# Altium PCB tagIT_pcb.PcbDoc (part 2 of 2)
Units mil, origin at the board's own origin, x right, y up, seen from the top; angles counter-clockwise.
Board outline 2360 x 1710 mil, 2 copper layers (Top Layer, Bottom Layer); 112 components, 75 nets, 348 pads, 298 vias.
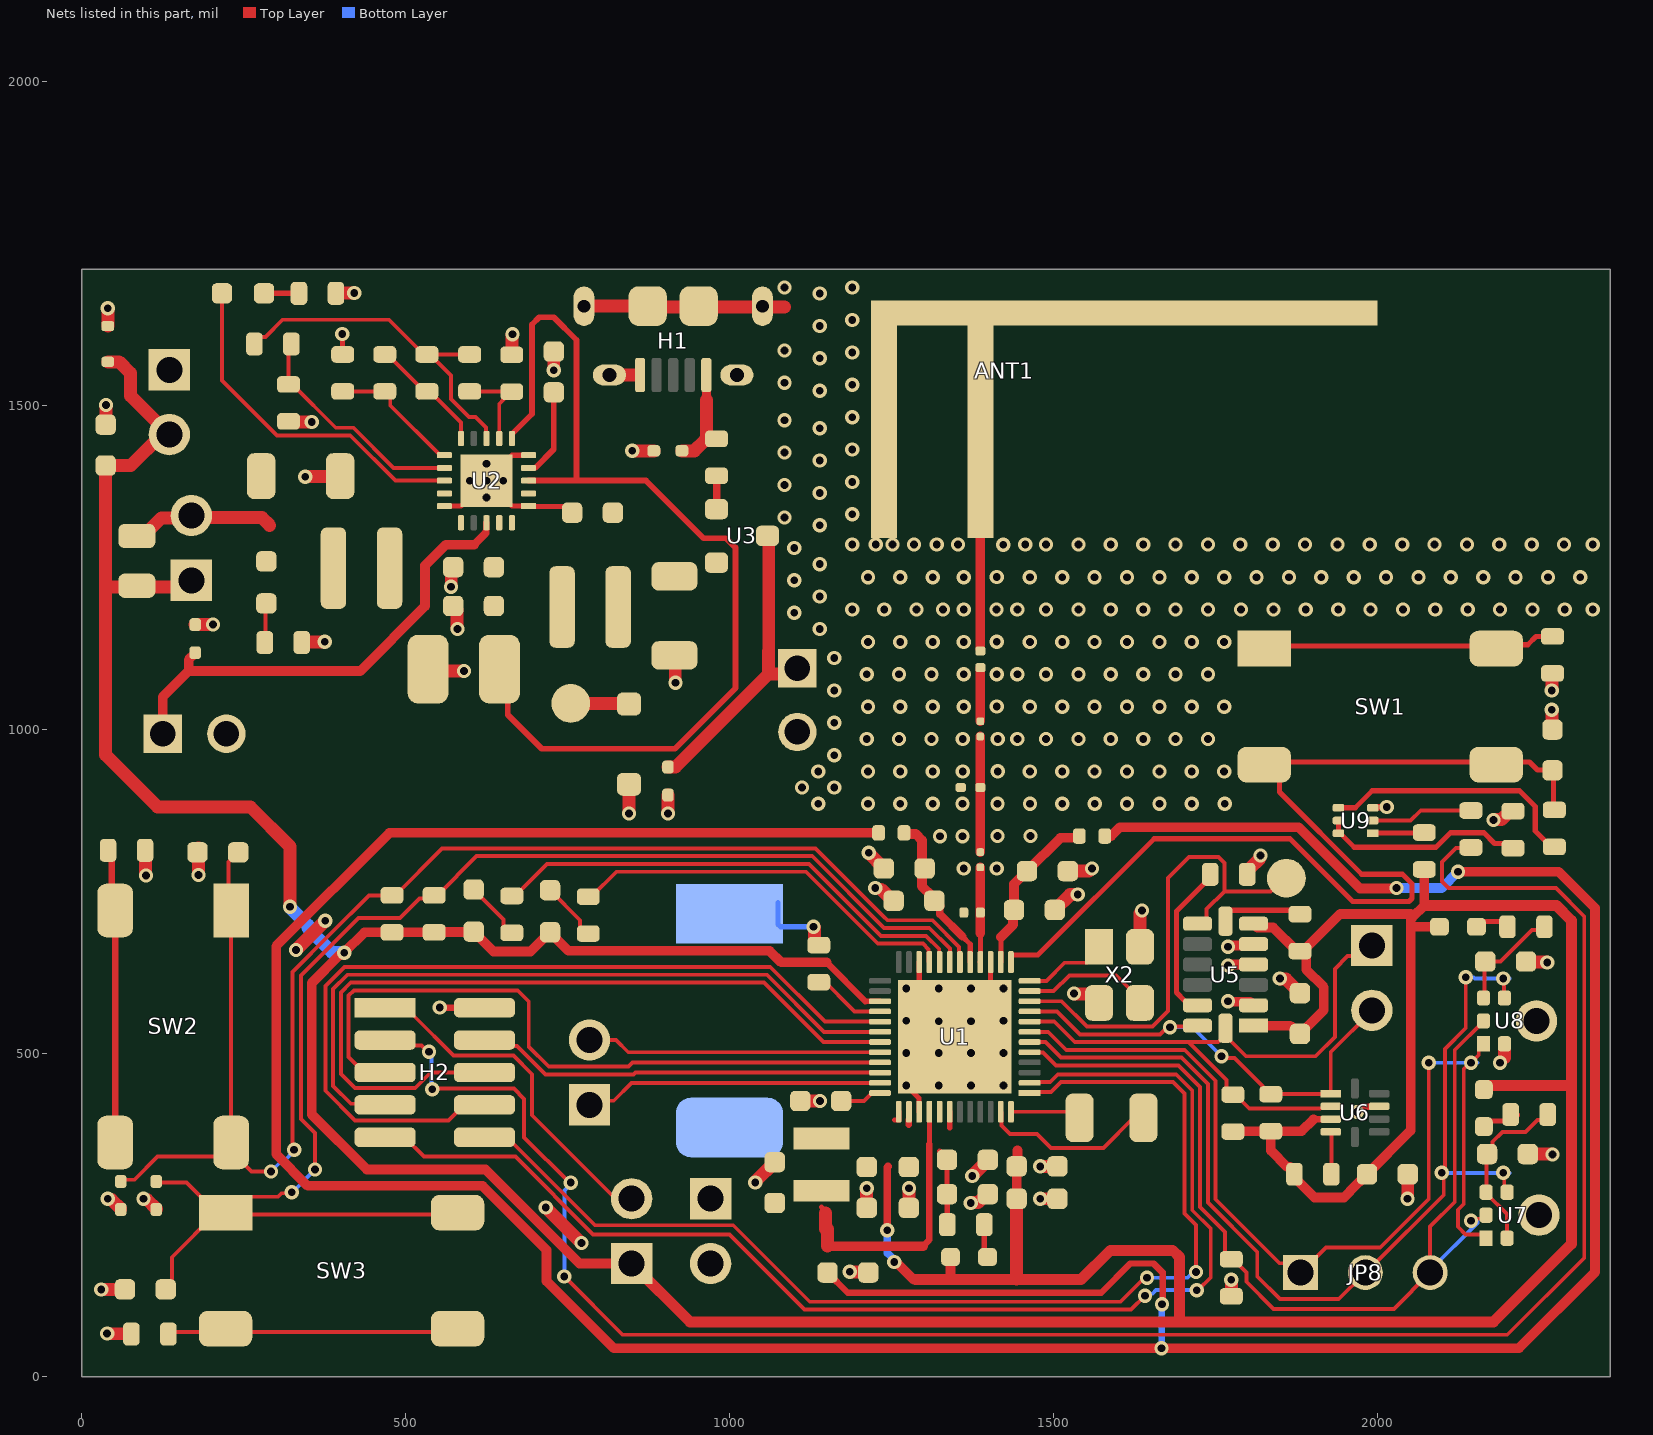
[diagram p2: the nets of this part, all layers, seen from the top]

## Via types
v1: diameter 22, hole 12, Top Layer to Bottom Layer, tented both sides, 298 vias

## Nets (pads, with @x,y where several pads share a name; then routed paths per layer and width w, separated by ;. In a path a pad name is that pad's centre, name@x,y a point inside that pad or via, vN(x,y) a via of type N, cw(c..) or ccw(c..) an arc to the next point about the centre after c; other vN are vias at no path point)
+3V_VMCU: C2.2 C3.1 C7.2 C8.1 C23.1 C24.2 C30.2 D2.1 JP2.1 JP9.1 JP10.2 L4.1 L9.1 L10.1 LED4.A LED5.A R4.2 R5.2 R7.2 R18.2 R20.2 R24.2 R28.2 R31.2 U1.27 U1.38 U1.42 U5.1 U5.6 U6.3 | length 8021.1
  Top Layer w8: 1209.79,579.98 U1.27@1232.57,579.98 ; 1340.25,384.75 U1.42@1340.25,409.32
  Top Layer w10: 1149.78,640 1209.79,579.98 ; 1276.84,389.1 U1.38@1276.84,397.39 ; 1902.06,397.56 U6.3@1928.18,397.56
  Top Layer w12: v1(1243.63,226.35) 1243.63,323.63 1245,325
  Top Layer w15: JP9.1@849.02,175 768.35,175 623.35,320 440,320 354.98,405.02 354.98,608.47 398.01,651.5 399.61,651.5 401.77,653.66 403.66,653.66 v1(405,655) 436.46,686.46 R28.2@479,686.46 R31.2@544,686.46 544.53,686.99 604.47,686.99 LED5.A@605,687.52 635.59,656.93 692.79,656.93 722.38,686.52 LED4.A@723,686.52 751.63,657.89 1062.11,657.89 1080,640 1149.78,640 ; v1(1254.66,177.2) 1257.37,177.2 1284.57,150 1286.21,150 ; 1341.46,151.5 L4.1@1341.46,185 ; 1443.5,151.15 1444.66,150 ; C8.1@1443.5,275 C7.2@1443.5,325 1445,326.5 1445,350 ; R7.2@1771.08,379.28 R4.2@1836,379.28 ; U5.1@1809.21,542.26 1866.15,542.26 1878.9,529.5 C24.2@1881,529.5 1917.8,566.31 1917.8,601.67 1890.69,628.78 1890.69,652.16 1885.39,657.46 R18.2@1881,657.46 1876.08,657.46 1839.75,693.79 1815.16,693.79 U5.6@1809.21,699.74 ; R18.2@1885.92,657.46 1943.22,714.76 2051.95,714.76 ; 1902.06,397.56 1883.77,379.28 R4.2@1836,379.28 ; R24.2@2073,783.46 2073,728 2054.89,709.89 2051.95,709.89 2051.95,695 ; L10.1@2096.46,695 2051.95,695 ; R4.2@1836,379.28 1836,349.28 1860.99,324.29 1865.69,324.29 1872.46,317.53 R20.2@1872.46,312.82 1872.46,307.9 1903.35,277 1948.97,277 1958.33,286.36 1958.33,286.65 C23.1@1984.5,312.82 2051.95,380.26 2051.95,695
  Top Layer w17: JP9.1@849.02,175 939.02,85 1695,85 ; 1287.71,150 1444.66,150 1542.81,150 1588.24,195.43 1684.57,195.43 1695,185 1695,85 ; 2073,728 2277,728 2300,705 2300,450 ; L9.1@2165.03,450 2300,450 ; 1695,85 2180,85 2300,205 2300,450
  Top Layer w20: D2.1@40,1567.44 57.56,1567.44 75.08,1549.92 75.08,1514.92 JP10.2@128.4,1461.6 ; JP10.2@135,1455 123.15,1455 75.45,1407.3 C30.2@36.8,1407.3 36.8,1220 ; JP2.1@148.02,1220 36.8,1220 ; v1(321.21,725.91) 321.24,819.15 260.39,880 117,880 36.8,960.2 36.8,1220 ; 1443.5,151.15 C8.1@1443.5,275
  Bottom Layer w12: v1@404.62,655.38 v1(405,655) ; v1(1243.63,226.35) 1243.63,191.37 1252.75,182.25 1252.75,179.11 v1(1254.66,177.2)
  Bottom Layer w20: v1(321.21,725.91) 321.21,725.37 348.86,697.72 348.86,692.96 386.43,655.38 v1@404.62,655.38
AVDD: C22.2 C32.2 R3.2 U1.41 | length 118.6
  Top Layer w8: C32.2@1324.5,348.6 1336.01,337.1 C32.2@1336.01,335 C22.2@1336.01,282 1336.23,281.78 1336.23,235.22 R3.2@1336.46,235
BAT_TVS: D5.1 JP1.1 U2.18 | length 746.3
  Top Layer w10: 623.38,1302.92 624.57,1304.1 624.57,1318.66 U2.18@624.84,1318.94
  Top Layer w12: 605.47,1285.01 623.38,1302.92
  Top Layer w15: JP1.1@124.79,993 124.79,1049.79 165,1090 ; D5.1@175,1118.35 175,1117.36 165,1107.36 165,1090 ; 605.47,1285.01 561.97,1285.01 530,1253.05 530,1190 430,1090 165,1090
Buzzer: R30.2 U1.28 | length 116.8
  Top Layer w6: R30.2@1137,615.46 1141.92,615.46 1193.14,564.24 U1.28@1232.57,564.24
CS: R18.1 U5.7 | length 130.5
  Top Layer w8: U5.7@1766,703.58 1766,713.85 1772.72,720.57 1874.98,720.57 R18.1@1881,714.54
DEBUG_RX: JP11.1 U1.35 | length 462.6
  Top Layer w6: JP11.1@784.02,420 790.41,426.39 821.39,426.39 849,454 U1.35@1232.57,454
DEBUG_TX: JP11.2 U1.32 | length 456.3
  Top Layer w6: JP11.2@784.02,520 825,520 843.76,501.24 U1.32@1232.57,501.24
DECOUPLE: C6.2 U1.36 | length 65.2
  Top Layer w6: C6.2@1172.5,426 1207.72,426 1219.98,438.25 U1.36@1232.57,438.25
F_Antenna: C10.1 L2.1 U1.16 | length 146.2
  Top Layer w8: U1.16@1387.38,640.54 1387.75,640.91 1387.75,684.79 1387.38,685.16
  Top Layer w15: 1387.38,685.16 1387.5,685.28 C10.1@1387.5,716.81 L2.1@1387.5,786.42
GND: ANT1.GND BZ.2 C1.2 C2.1 C3.2 C4.1 C5.2 C6.1 C7.1 C8.2 C10.2 C11.1 C12.1 C13.1 C14.1 C15.1 C16.2 C17.2 C18.1 C19.1 C20.1 C21.1 C22.1 C23.2 C24.1 C25.2 C26.1 C27.1 C28.1 C29.1 C30.1 C32.1 D1.2 D2.2 D3.2 D4.2 D5.2 D6.2 D7.2 H1.5 H1.S1 H1.S2 H1.S3 H1.S4 H1.S5 H1.S6 H2.2 JP1.2 JP3.2 JP5.1 JP5.2 JP10.1 R1.1 R6.2 R11.2 R13.1 R14.1 R15.1 R19.1 R23.1 R25.1 R29.2 R32.2 U1.15 U1.22 U1.39 U1.49 U2.1 U2.5 U2.15 U2.21 U5.2 U5.4 U5.5 U6.8 U7.3 U8.2 U8.3 U9.3 X2.2 X2.4 | length 3062.5
  Top Layer w6: C10.2@1361.91,716.81 C10.2@1361.86,718.03 ; R19.1@1799.54,776 R19.1@1799.54,779.08 ; v1(2270,1030) v1@2270.5,1029.5 ; R1.1@2270,1085.24 R1.1@2271,1086.24 ; C1.2@2270.5,1000 C1.2@2271,999.5
  Top Layer w8: v1(40,275) 41.15,273.85 v1@45.48,273.85 ; D7.2@60,258.35 D7.2@60,259.33 ; v1(95,275) 96.15,273.85 v1@100.48,273.85 ; D6.2@115,258.35 D6.2@115,259.33 ; R13.1@319,1475.46 R13.1@319.23,1475.23 ; R6.2@339.54,1134 R6.2@340.04,1134.5 ; v1@374.5,1134.5 v1(375,1135) ; R11.2@392.35,1673.21 R11.2@392.65,1673.51 ; C21.1@398.01,1390 C21.1@398.8,1390.79 ; v1(402.18,1610.27) 402.49,1609.96 402.49,1579.07 R15.1@402.8,1578.76 ; v1@420.33,1673.51 v1(420.64,1673.82) ; U2.15@559.88,1344.53 585.47,1344.53 597.84,1356.9 U2.21@597.84,1383.9 ; C16.2@573.31,1190.38 C16.2@578.47,1185.21 ; v1(624.84,1357.9) 650.84,1357.9 664.21,1344.53 U2.1@689.8,1344.53 690.53,1343.8 747.76,1343.8 C18.1@757.02,1334.54 ; v1(624.84,1409.9) 650.84,1409.9 664.21,1423.27 U2.5@689.8,1423.27 ; R14.1@663.8,1578.34 R14.1@664.4,1578.94 ; v1@664.4,1609.4 v1(665,1610) ; C20.1@728.8,1583.29 C20.1@729.05,1583.54 ; v1(1273.13,449.87) 1292.83,430.16 U1.39@1292.83,409.14 ; U1.22@1293.01,640.42 1293.01,579.98 U1.49@1348.13,524.87 1403.24,579.98 U1.15@1403.24,640.42 ; v1(1375,310) v1@1375,310.5 ; C22.1@1396.9,282 C22.1@1399,282 ; C32.1@1399,334.5 C32.1@1399,335
  Top Layer w10: v1(39,67) v1@39.5,66.5 ; R32.2@75.96,66.5 R32.2@76.46,66 ; R29.2@97.54,813 R29.2@98.27,812.27 ; v1@98.27,774.73 v1(99,774) ; v1(552.73,570.51) 552.99,570.26 621.52,570.26 H2.2@621.77,570 ; v1@1215,808.86 v1(1215,809.22) ; v1(1225,755) 1227.3,752.7 v1@1234.24,752.7 ; C14.1@1238.5,785 C14.1@1238.5,785.36 ; C15.1@1251.95,735 C15.1@1253.5,735 C15.1@1255.5,735 ; C2.1@1277.05,261.4 C2.1@1277.1,261.35 ; v1(1277.1,291.24) v1(1277.1,291.24) ; v1(1532,592) v1@1532.77,591.23 ; v1@1554.92,781 1558.92,785 v1(1560,785) ; X2.2@1557.15,591.23 X2.2@1571,577.39 ; v1@1633.99,715.91 1637,718.92 v1(1637,720) ; v1(1770,580) v1@1770.77,579.23 ; v1(1770,635) 1771.08,635 v1@1772.83,636.75 ; v1(1770,664.04) v1@1772.1,666.14 ; U5.2@1803.73,579.23 U5.2@1809.21,573.76 ; U5.5@1807.11,666.14 U5.5@1809.21,668.24 ; v1(1850,615) v1@1850.77,614.23 ; v1(1969,409) 1970.08,409 1977.84,416.76 2002.5,416.76 U6.8@2003.4,417.66 ; U9.3@1993.57,878.69 1994.23,879.34 2014.34,879.34 v1(2015,880) ; v1(2047,275) v1@2047.5,275.5 ; v1(2190,485) 2190,485.89 v1@2196.81,492.71 ; C27.1@2230.12,641.3 C27.1@2230.77,640.65 ; C26.1@2232.99,344 C26.1@2233.24,343.75 ; v1@2262.35,640.65 v1(2263,640) ; v1@2270.74,343.75 v1(2270.99,343.5)
  Top Layer w15: v1(1185.82,162.4) v1@1186.52,161.7 ; C5.2@1206.28,161.7 1206.5,161.92 C5.2@1206.5,163 ; v1@1770.77,579.23 U5.2@1803.73,579.23 ; v1@1772.1,666.14 U5.5@1807.11,666.14 ; v1@1772.83,636.75 U5.4@1809.21,636.75
  Top Layer w20: v1(30,135) C29.1@66.5,135 ; C30.1@37.18,1470.67 v1(37.18,1500.59) ; v1@39.5,66.5 R32.2@75.96,66.5 ; D2.2@40,1622.56 v1(40,1650) ; v1@45.48,273.85 D7.2@60,259.33 ; v1@98.27,774.73 R29.2@98.27,812.27 ; v1@100.48,273.85 D6.2@115,259.33 ; D5.2@175,1161.65 202.11,1161.65 v1(202.4,1161.94) ; v1(180,775) C28.1@180,817.06 ; R13.1@319.23,1475.23 319.65,1474.8 354.6,1474.8 v1(354.99,1474.42) ; v1(330.71,659.29) 330.86,659.29 375.71,704.14 v1(375.86,704.14) ; R6.2@340.04,1134.5 v1@374.5,1134.5 ; v1(345,1390) C21.1@398.01,1390 ; R11.2@392.65,1673.51 v1@420.33,1673.51 ; C25.2@534.68,1092.79 537.48,1090 v1(590,1090) ; v1(570,1220) 570.38,1220.38 570.38,1247.45 C17.2@573.31,1250.38 ; C16.2@578.47,1185.21 579.05,1184.63 579.05,1156.49 580,1155.54 v1(580,1155) ; R14.1@664.4,1578.94 v1@664.4,1609.4 ; v1(716.5,261.5) v1(771.5,206.5) ; v1(728.6,1554.23) 728.7,1554.34 728.7,1583.19 C20.1@728.8,1583.29 ; H1.S6@775.34,1653.35 H1.S5@873.77,1653.35 ; H1.S2@814.71,1547.05 H1.5@858.52,1547.05 ; v1(845,870) D1.2@845,915 ; v1(850,1430) D3.2@883.35,1430 ; H1.S5@873.77,1652 1085,1652 ; v1(905,870) D4.2@905,898.35 ; v1(916.72,1071.72) 916.34,1072.11 916.34,1102.08 929.37,1115.11 C19.1@936.91,1115.11 ; v1(1040,300) 1040.38,300.38 1040.38,301.88 C4.1@1070,331.5 ; C6.1@1109.5,426 v1(1139.75,426) ; v1@1186.52,161.7 C5.2@1206.28,161.7 ; C3.2@1212,261.24 v1(1212,291.24) ; v1@1215,808.86 C14.1@1238.5,785.36 ; v1@1234.24,752.7 C15.1@1251.95,735 ; C2.1@1277.05,261.4 v1(1277.1,291.24) ; v1(1372.61,268.57) 1373,268.95 1383.86,268.95 1391.16,276.25 1393.25,276.25 1396.9,279.9 C22.1@1396.9,282 ; v1@1375,310.5 C32.1@1399,334.5 ; v1(1480,275) C8.2@1506.5,275 ; v1(1480,325) C7.1@1506.5,325 ; C13.1@1502.5,721 1526.11,744.62 1537.62,744.62 v1(1538,745) ; C12.1@1522.5,781 v1@1554.92,781 ; v1@1532.77,591.23 X2.2@1557.15,591.23 ; X2.4@1633.99,664 v1@1633.99,715.91 ; R23.1@1775,124.46 v1(1775,150) ; R19.1@1799.54,779.08 1802.34,781.88 1802.34,783.72 1819.62,801 1819.62,804.62 v1(1820,805) ; v1@1850.77,614.23 1859.26,614.23 C24.1@1881,592.5 ; v1@2047.5,275.5 C23.2@2047.5,312.82 ; v1(2180,860) 2180.38,860.38 2191.92,860.38 2206.17,874.64 R25.1@2206.17,875.39 ; v1@2196.81,492.71 U8.2@2196.81,514.17 ; C27.1@2230.77,640.65 v1@2262.35,640.65 ; C26.1@2233.24,343.75 v1@2270.74,343.75 ; v1(2270,1060) R1.1@2270,1085.24 ; C1.2@2270.5,1000 v1@2270.5,1029.5
  other v1: 1323.13,449.87 1373.13,449.87 1423.13,449.87 1273.13,499.87 1323.13,499.87 1373.13,499.87 1423.13,499.87 1273.13,549.87 1323.13,548.98 1373.13,548.98 1423.13,549.87 1273.13,599.87 1323.13,599.62 1373.13,599.62 1423.13,599.87 1362,784.87 1412.7,784.98 1325,834.87 1360.03,834.87 1414.03,834.98 1465,835 1360.03,884.87 1464.03,884.87 1137,885 1213.93,885 1263.93,885 1313.93,885 1414.03,884.98 1514.03,885 1564.03,885 1614.03,885 1664.03,885 1714.03,885 1765,885 1112,910 1162,910 1137,934.87 1213.93,934.87 1263.93,934.87 1313.93,934.87 1360.45,934.87 1463.93,934.87 1513.93,934.87 1563.93,934.87 1613.93,934.87 1663.93,934.87 1713.93,934.87 1763.93,934.87 1414.45,934.98 1162,959.87 1212,984.87 1262,984.87 1312,984.87 1360.45,984.87 1444.64,984.87 1488.93,984.87 1538.93,984.87 1588.93,984.87 1638.93,984.87 1688.93,984.87 1738.93,984.87 1414.45,984.98 1162,1010 1213.93,1034.87 1263.93,1034.87 1313.93,1034.87 1362,1034.87 1463.93,1034.87 1513.93,1034.87 1563.93,1034.87 1613.93,1034.87 1663.93,1034.87 1713.93,1034.87 1763.93,1034.87 1412.7,1034.98 1162,1059.87 1212,1084.87 1262,1084.87 1312,1084.87 1362,1084.87 1444.64,1084.87 1488.93,1084.87 1538.93,1084.87 1588.93,1084.87 1638.93,1084.87 1688.93,1084.87 1738.93,1084.87 1412.7,1084.98 1162,1110 1213.93,1134.87 1263.93,1134.87 1313.93,1134.87 1362,1134.87 1463.93,1134.87 1513.93,1134.87 1563.93,1134.87 1613.93,1134.87 1663.93,1134.87 1713.93,1134.87 1763.93,1134.87 1412.7,1134.98 1139.46,1155 1100,1180 1189.8,1184.87 1238.93,1184.87 1288.93,1184.87 1362,1184.87 1444.64,1184.87 1488.93,1184.87 1538.93,1184.87 1588.93,1184.87 1638.93,1184.87 1688.93,1184.87 1738.93,1184.87 1329.76,1184.98 1412.4,1184.98 1790,1185 1840,1185 1890,1185 1940,1185 1990,1185 2040,1185 2090,1185 2140,1185 2190,1185 2240,1185 2290,1185 2333,1185 1139.46,1205 1100,1230 1213.93,1234.87 1263.93,1234.87 1313.93,1234.87 1362,1234.87 1463.93,1234.87 1513.93,1234.87 1563.93,1234.87 1613.93,1234.87 1663.93,1234.87 1713.93,1234.87 1763.93,1234.87 1813.93,1234.87 1863.93,1234.87 1913.93,1234.87 1963.93,1234.87 2013.93,1234.87 2063.93,1234.87 2113.93,1234.87 2163.93,1234.87 2213.93,1234.87 2263.93,1234.87 2313.93,1234.87 1412.79,1234.98 1139.46,1255 1100,1280 1423,1284.87 1189.8,1285.21 1226,1285.21 1252,1285.21 1285,1285.21 1320,1285.21 1353,1285.21 1456.95,1285.21 1488.93,1285.21 1538.93,1285.21 1588.93,1285.21 1638.93,1285.21 1688.93,1285.21 1738.93,1285.21 1788.93,1285.21 1838.93,1285.21 1888.93,1285.21 1938.93,1285.21 1988.93,1285.21 2038.93,1285.21 2088.93,1285.21 2138.93,1285.21 2188.93,1285.21 2238.93,1285.21 2288.93,1285.21 2333,1285.21 1139.46,1315 1085,1327.2 1189.8,1332 1139.46,1365 1085,1377.2 1189.8,1382 598.84,1383.9 624.84,1383.9 650.84,1383.9 1139.46,1415 1085,1427.2 1189.8,1432 1139.46,1465 1085,1477.2 1189.8,1482 1139.46,1522.8 1189.8,1532 1085,1535 1139.46,1572.8 1189.8,1582 1085,1585 1139.46,1622.8 1189.8,1632 1139.46,1672.8 1085,1682 1189.8,1682
HF_XTAL_I: U1.11 X2.3 | length 201.5
  Top Layer w6: U1.11@1463.68,595.73 1500.73,595.73 1525,620 1597.28,620 1633.99,583.29 X2.3@1633.99,577.39
HF_XTAL_O: U1.12 X2.1 | length 132.5
  Top Layer w6: U1.12@1463.68,611.48 1489.51,611.48 1517.47,639.44 1552.35,639.44 1571,658.09 X2.1@1571,664
I2C_SCL: JP4.1 R7.1 U1.8 U5.14 U6.2 | length 958.6
  Top Layer w6: U1.8@1463.68,548.49 1501.51,548.49 1533.17,516.83 1709,516.83 ; U6.2@1928.6,417.66 1925.69,414.76 1912.52,414.76 1912.34,414.57 1802.72,414.57 1780.92,436.36 1776,436.36 1767.67,444.69 1767.67,458.16 1709,516.83 ; JP4.1@1991.98,666 1975.59,649.61 1954.61,649.61 1935,630 1935,525 1905,495 1797.71,495 1770.29,522.42 1760.41,522.42 1754.81,516.83 1709,516.83
I2C_SDA: JP4.2 R4.1 U1.9 U5.13 U6.1 | length 727.8
  Top Layer w6: U1.9@1463.68,564.24 1505.76,564.24 1541.17,528.83 1664.99,528.83 1675.91,539.76 v1(1680.24,539.76) ; v1@1680,540 1681.01,541.01 1721.54,541.01 U5.13@1722.79,542.26 ; v1(1760,495) 1762.64,492.36 1780,492.36 1823.38,448.98 1823.38,445.9 1832.92,436.36 R4.1@1836,436.36 1836.49,436.85 1928.11,436.85 U6.1@1928.6,437.35 1928.6,501.63 1991.98,565.01 JP4.2@1991.98,566
  Bottom Layer w6: v1(1680.24,539.76) 1715.24,539.76 v1(1760,495)
IMU_INT: TP11.1 U1.10 U5.8 | length 774.6
  Top Layer w6: U1.10@1463.68,579.98 1512.8,579.98 1551.96,540.83 1653.03,540.83 1677.25,565.05 1677.25,770.25 1695,788 1709.72,802.72 1755.23,802.72 1764.25,793.7 1764.25,749.72 ; U5.8@1722.79,699.74 1729.27,699.74 1736.92,707.38 1736.92,722.39 1764.25,749.72 ; TP11.1@1863,777 1835.28,749.28 1786.77,749.28 1786.33,749.72 1764.25,749.72
LBOOST: L6.2 U2.20
LBUCK: L7.1 U2.16
LF_XTAL_1: U1.48 X1.2 | length 109.9
  Top Layer w6: U1.48@1434.74,409.32 1531.47,409.32 X1.2@1540.79,400
LF_XTAL_2: U1.47 X1.1 | length 274.3
  Top Layer w6: U1.47@1418.99,409.32 1420.32,407.98 1420.32,387.9 1433.22,375 1475,375 1496.4,353.6 1577.81,353.6 1624.21,400 X1.1@1639.21,400
MIC_I2S_SCK: JP8.2 U1.6 U7.4 U8.4 | length 1573.1
  Top Layer w6: U1.6@1463.68,516.99 1488.01,516.99 1512.17,492.83 1698.2,492.83 1738.75,452.28 1738.75,269.28 1815,193.03 1815,155 1850,120 1941,120 JP8.2@1982,161 1991.17,170.17 JP8.2@2002.14,170.17 ; JP8.2@1992.14,170.17 2103,281.03 v1@2103,314 ; v1@2105,315 2105,506.51 2137,538.51 v1(2137,617) ; v1(2195,315) 2196.53,313.47 2196.53,289.32 U7.4@2200.81,285.04 ; v1(2195,615) 2195.91,614.09 2195.91,585.94 U8.4@2196.81,585.04
  Bottom Layer w6: v1@2110,315 v1@2205,315 ; 2149,617 2151,615 v1@2205,615
  other v1: 2100,315
MIC_I2S_SD: JP8.3 R23.2 U1.5 U7.6 U8.6 | length 1501.9
  Top Layer w6: U1.5@1463.68,501.24 1464,500.92 1484.08,500.92 1504.17,480.83 1693.23,480.83 1726.75,447.31 1726.75,262.19 1765,223.94 1765,191.08 1774.54,181.54 R23.2@1775,181.54 1778.08,181.54 1798.23,161.4 1798.23,146.77 1840,105 2026,105 JP8.3@2082,161 2082,232 2120,270 2120,504.54 2164.45,548.99 U8.6@2164.45,549.61 ; v1(2145,241.04) 2148.06,244.1 2162.94,244.1 U7.6@2168.45,249.61
  Bottom Layer w6: JP8.3@2082,161 2082,164.52 2155,237.52 v1@2155,241.04
MIC_I2S_WS: JP8.1 U1.7 U7.1 U8.1 | length 1549.9
  Top Layer w6: U1.7@1463.68,532.74 1492.26,532.74 1520.17,504.83 1703.17,504.83 1750.75,457.25 1750.75,274.25 1849.55,175.45 1867.55,175.45 JP8.1@1882,161 1921,200 2005,200 2080,275 v1(2080,485) ; U8.1@2164.45,514.17 2157.17,506.9 2157.17,497.17 v1(2145,485) 2143.87,485 2134,475.13 2134,267.03 2125,258.03 2125,231.72 2136.72,220 2162.62,220 U7.1@2168.45,214.17
  Bottom Layer w6: v1@2090,485 v1(2145,485) v1@2155,485
NetANT1_FEED: ANT1.FEED C9.2 | length 340.9
  Top Layer w10: ANT1.FEED@1387.87,1300 ANT1.FEED@1387.87,1464.7
  Top Layer w15: C9.2@1387.5,1123.79 ANT1.FEED@1387.5,1299.98
NetBZ_1: BZ.1 R30.1 | length 122.2
  Top Layer w8: v1(1130,695) v1@1131.15,693.85 ; R30.1@1131.15,673.4 R30.1@1138,666.54
  Top Layer w20: R30.1@1131.15,673.4 v1@1131.15,693.85
  Bottom Layer w8: BZ.1@1075,732.63 1075,698.68 1078.68,695 v1(1130,695)
NetC9_1: C9.1 L3.2 | length 81.9
  Top Layer w15: L3.2@1387.5,1012.72 C9.1@1387.5,1094.59
NetC11_2: C11.2 L2.2 L3. | length 177.1
  Top Layer w15: L2.2@1387.5,810.35 C11.2@1387.5,904.43 ; C11.2@1387.5,905.65 L3.@1387.5,988.73
NetC27_2: C27.2 R22.2 U8.5 | length 194.4
  Top Layer w6: U8.5@2164.45,585.04 2165.79,586.38 2165.79,639.96 C27.2@2167.13,641.3 2190.51,641.3 2239.21,690 R22.2@2265,690 ; R22.2@2249.59,690.38 2252.01,690.38 2261.54,699.92 R22.2@2261.54,703
NetL4_2: L4.2 R3.1 | length 52.1
  Top Layer w8: R3.1@1393.54,235 1393.54,190 L4.2@1398.54,185
NetL9_2: L9.2 R21.1 | length 59.8
  Top Layer w8: L9.2@2165,386.46 2173.78,395.24 2207.84,395.24 2216.46,403.85 R21.1@2216.46,405
NetL10_2: L10.2 R22.1 | length 54.2
  Top Layer w8: L10.2@2153.54,695 2161.54,703 R22.1@2204.46,703
NetLED2_C: LED2.C R6.1 | length 61.3
  Top Layer w6: R6.1@282.46,1134 283.63,1135.17 283.63,1193.14 LED2.C@284.8,1194.31
NetLED3_C: LED3.C R11.1 | length 54
  Top Layer w9: LED3.C@281.28,1673.21 R11.1@335.26,1673.21
NetLED4_C: LED4.C R33.1 | length 93.3
  Top Layer w6: LED4.C@723,751.48 769.38,705.1 769.38,693.99 778.92,684.46 R33.1@782,684.46
NetLED5_C: LED5.C R34.1 | length 93.3
  Top Layer w6: LED5.C@605,752.48 651.38,706.1 651.38,694.99 660.92,685.46 R34.1@664,685.46
NetR1_2: R1.2 SW1.1 SW1.2 | length 455.2
  Top Layer w8: SW1.1@1821.87,1128.57 2180.13,1128.57 2182.17,1130.61 2232.79,1130.61 2245.51,1143.33 R1.2@2271,1143.33
NetR2_2: R2.2 U3.1 | length 54.5
  Top Layer w12: U3.1@980.32,1336.65 R2.2@980.32,1391.14
NetR20_1: R20.1 U6.4 | length 65.9
  Top Layer w6: U6.4@1928.6,378.29 1929.54,377.35 R20.1@1929.54,312.82
NetR24_1: R24.1 U9.1 | length 79.9
  Top Layer w8: U9.1@1993.57,839.32 1994.19,839.93 2072.39,839.93 R24.1@2073,840.54
NetR25_2: R25.2 U9.5 U9.6 | length 315.5
  Top Layer w8: U9.5@1940.43,859 U9.6@1940.43,839.32 1943.38,839.32 1964.95,817.75 2091.11,817.75 2113.62,840.25 2165.05,840.25 2181.53,823.77 2203.46,823.77 R25.2@2208.93,818.31
NetR26_2: R26.2 U9.2 | length 157.9
  Top Layer w6: U9.2@1993.57,859 2051.96,859 2067.51,874.54 R26.2@2145,874.54
NetR27_1: R27.1 U9.4 | length 402.5
  Top Layer w8: U9.4@1940.43,878.69 1966.4,878.69 1992.71,905 2220.23,905 2244.37,880.86 2244.37,842.95 2269.01,818.31 R27.1@2273.93,818.31
NetR29_1: R29.1 SW2.3 SW2.4 | length 455.7
  Top Layer w10: R29.1@40.46,813 45.94,807.51 45.94,725.62 SW2.3@51.43,720.13 SW2.4@51.43,361.87
NetR32_1: R32.1 SW3.3 SW3.4 | length 450.1
  Top Layer w6: R32.1@133.54,66 136.53,68.99 574.69,68.99 SW3.4@580.13,74.43
OK_HYST: R9.1 R12.2 U2.10 | length 197.7
  Top Layer w6: R12.2@469.04,1577.09 473.42,1577.09 528.85,1521.67 R9.1@530.01,1521.67 ; R9.1@520.47,1512.13 R9.1@530.01,1521.67 ; U2.10@585.47,1448.86 585.47,1473.92 537.72,1521.67 R9.1@532.8,1521.67 R9.1@530.01,1521.67
OK_PROG: R12.1 R15.2 U2.11 | length 205.7
  Top Layer w6: R15.2@402.8,1521.67 R12.1@467.8,1521.67 476.19,1513.28 476.19,1499.87 552.8,1423.27 U2.11@559.88,1423.27
PAVDD: C14.2 C15.2 L8.2 U1.17 | length 255.5
  Top Layer w8: C15.2@1312.5,741 C15.2@1321.18,732.32 ; 1359.9,679.9 1371.75,668.05 U1.17@1371.75,640.42
  Top Layer w10: L8.2@1269.69,840 L8.2@1271.52,838.17 ; C15.2@1312.5,741 C15.2@1312.5,742.56
  Top Layer w12: C15.2@1324.92,726.58 1324.92,714.88 1359.9,679.9
  Top Layer w15: L8.2@1271.52,838.17 1287.84,838.17 1297.5,828.51 1297.5,757.56 C15.2@1312.5,742.56 ; C15.2@1316.5,735 C15.2@1324.51,726.98
PMIC_VIN: C18.2 C19.2 D1.1 L6.1 TP6.1 U2.2 U3.2 | length 90.4
  Top Layer w20: TP6.1@755,1040 755.49,1039.51 844.51,1039.51 D1.1@845,1039.02
PMIC_VOUT: C21.2 JP2.2 L7.2 LED2.A R5.1 U2.14 | length 210.4
  Top Layer w20: R5.1@85,1298.39 94.84,1298.39 122.69,1326.23 JP2.2@143.96,1326.23 ; JP2.2@155.02,1327 278,1327 290,1315
PV_TVS: D4.1 JP3.1 U3.3 | length 476.1
  Top Layer w20: D4.1@905,941.65 916.65,941.65 1060.38,1085.38 ; 1060.38,1121.16 1060.38,1085.38 ; 1060.71,1121.5 U3.3@1060.71,1298.66 ; JP3.1@1105,1094.21 1096.16,1085.38 1060.38,1085.38
Reset: C1.1 R27.2 SW1.3 SW1.4 U1.13 | length 1606
  Top Layer w8: U1.13@1434.74,640.42 1434.74,650.85 1435.07,651.18 1476.18,651.18 1656,831 1865.57,831 1962.57,734 2049.31,734 2054,738.69 2054,761.55 2039.55,776 1976.56,776 1849.43,903.14 1849.43,922.62 1822.61,949.43 2184.13,949.43 2235.57,949.43 2247.94,937.06 2270.44,937.06 2272.47,935.04 2272.47,876.86 R27.2@2273.93,875.39
RFVDD: C12.2 C13.2 L5.2 U1.14 | length 248.6
  Top Layer w8: U1.14@1418.99,640.42 1419.32,640.75 1419.32,679.32 ; C13.2@1437.94,719.43 C13.2@1439.5,721
  Top Layer w15: 1419.32,679.32 1437.94,697.94 C13.2@1437.94,719.43 ; C13.2@1439.5,721 1439.5,761 C12.2@1459.5,781 1510.88,832.37 1529.43,832.37
SDO: R19.2 U5.12 | length 244.9
  Top Layer w8: U5.12@1722.79,573.76 1716.84,579.71 1704,579.71 1690.25,593.45 1690.25,718.87 1742.46,771.08 R19.2@1742.46,776
SI_PTI_DATA: H2.10 U1.1 | length 1758.7
  Top Layer w6: H2.10@621.77,370 656.48,370 792.37,234.11 1005.89,234.11 1124,116 1604.12,116 1641.12,153 v1(1645,153) ; U1.1@1463.94,438.52 1465.01,439.58 1496.55,439.58 1511.97,455 1685,455 1702.75,437.25 1702.75,252.25 1720.5,234.5 v1(1720.5,161.83)
  Bottom Layer w6: v1(1645,153) 1707.34,153 1716.17,161.83 v1(1720.5,161.83)
SI_PTI_FRAME: H2.9 U1.2 | length 1973.1
  Top Layer w6: H2.9@468.23,370 498.09,370 528.09,340 669.51,340 789.51,220 1000,220 1116,104 1620.41,104 v1(1641.61,125.21) ; U1.2@1463.68,454 1465.01,455.33 1495.33,455.33 1507,467 1689.97,467 1714.75,442.22 1714.75,257.22 1743.21,228.76 1743.21,153.21 1723.86,133.86 v1(1721.74,133.86)
  Bottom Layer w6: v1(1641.61,125.21) 1644.67,128.27 1653.27,128.27 1658.88,133.88 v1@1721.72,133.88
SI_SWCLK: H2.8 U1.29 | length 1340.2
  Top Layer w6: H2.8@621.77,420 590,420 566.04,396.04 421.64,396.04 375.98,441.69 375.98,603.6 405.26,632.88 1063.03,632.88 1147.42,548.49 U1.29@1232.57,548.49
SI_SWDIO: H2.7 U1.30 | length 1132.1
  Top Layer w6: H2.7@468.23,420 466.54,421.69 415.5,421.69 387.98,449.2 387.98,598.63 410.23,620.88 1058.06,620.88 1146.2,532.74 U1.30@1232.57,532.74
SI_SWO: H2.6 U1.31 | length 1243.6
  Top Layer w6: H2.6@621.77,470 538.78,470 514.82,446.04 421.64,446.04 399.98,467.69 399.98,593.66 415.2,608.88 1053.09,608.88 1144.98,516.99 U1.31@1232.57,516.99
SI_VCOM_RX: H2.4 U1.34 | length 633.8
  Top Layer w6: H2.4@621.77,520 630.97,510.81 672.22,510.81 715.92,467.11 852.11,467.11 854.75,469.75 U1.34@1232.57,469.75
SI_VCOM_TX: H2.5 U1.33 | length 1077.3
  Top Layer w6: H2.5@468.23,470 435.94,470 411.98,493.96 411.98,588.69 420.17,596.88 673.12,596.88 690,580 690,510 720.89,479.11 844.11,479.11 850.5,485.5 U1.33@1232.57,485.5
SIMPLICITY_RST: H2.3 R26.1 | length 3108.8
  Top Layer w6: H2.3@468.23,520 476.87,511.36 524.47,511.36 533.84,502 v1(536,502) ; v1(541.03,443.97) 542.06,445 667.32,445 683,429.32 683,369.63 752.75,299.88 v1(754.88,299.88) ; v1(745,155) 835,65 2201.21,65 2320,183.79 2320,711 2276.28,754.72 2110.28,754.72 2100.32,764.68 2100.32,795.32 2121.8,816.8 2144.34,816.8 R26.1@2145,817.46
  Bottom Layer w6: v1(536,502) 536,499.84 540,495.84 540,445 v1(541.03,443.97) ; v1(745,155) 745,287.84 754.88,297.72 v1(754.88,299.88)
SIMPLICITY_VAEM: H2.1 JP9.2 | length 522.4
  Top Layer w6: H2.1@468.23,570 500.51,570 512.47,558.04 512.47,557.53 573.96,496.04 666.28,496.04 695,467.32 695,404.02 JP9.2@829.02,270
USB_TVS: D3.1 H1.1 R2.1 | length 155.4
  Top Layer w10: 964.32,1509 964.61,1508.71
  Top Layer w14: 964.32,1509 H1.1@964.32,1547.05
  Top Layer w20: D3.1@926.65,1430 945.72,1430 961.47,1445.75 ; 964.61,1508.71 964.61,1448.54 R2.1@980,1448.54
USER_BTN0: C28.2 D7.1 R28.1 SW2.1 SW2.2 U1.18 | length 2251.2
  Top Layer w6: D7.1@60.2,300 64.54,304.34 81.06,304.34 116.72,340 222.48,340 SW2.2@230.57,348.09 ; C28.2@241.5,810 226.5,795 226.5,724.2 SW2.1@230.57,720.13 SW2.2@230.57,361.87 SW2.2@230.57,348.09 ; v1(292.07,317.07) 262.08,317.07 231.07,348.09 SW2.2@230.57,348.09 ; v1(327.78,350.66) 325,353.44 325,625.3 383.84,684.14 384.14,684.14 443.54,743.54 R28.1@479,743.54 ; R28.1@483.92,743.54 556.38,816 1132.89,816 1228.76,720.14 1238.64,710.25 1243.89,705 1313.59,705 1354.67,663.92 1354.67,641.75 U1.18@1355.61,640.81
  Bottom Layer w6: v1(292.07,317.07) 307.11,332.11 311.17,332.11 327.78,348.71 v1(327.78,350.66)
USER_BTN1: C29.2 D6.1 R31.1 SW3.1 SW3.2 U1.19 | length 2256.8
  Top Layer w6: D6.1@113.54,300 161.65,300 SW3.1@208.09,253.57 ; C29.2@129.5,135 139.24,144.74 139.24,184.72 SW3.1@208.09,253.57 ; SW3.1@235.65,250.72 577.28,250.72 SW3.2@580.13,253.57 ; v1(324.2,284.95) 322.8,283.55 308.29,283.55 302.86,278.13 260.2,278.13 235.65,253.57 SW3.1@221.87,253.57 SW3.1@208.09,253.57 ; v1(360,320) 360,376.67 338.48,398.18 338.48,619.7 427.04,708.25 491.25,708.25 521.53,738.53 538.98,738.53 R31.1@544,743.54 548.92,743.54 609.38,804 1127.92,804 1238.92,693 1308.62,693 1340.37,661.25 1340.37,640.53 U1.19@1340.25,640.42
  Bottom Layer w6: v1(324.2,284.95) 324.95,284.95 v1(360,320)
USER_LED0: R33.2 U1.21 | length 611.3
  Top Layer w6: R33.2@782,741.54 786.92,741.54 825.38,780 1117.98,780 1228.98,669 1298.68,669 1307.65,660.03 1307.65,641.53 U1.21@1308.76,640.42
USER_LED1: R34.2 U1.20 | length 755.2
  Top Layer w6: R34.2@664,742.54 668.92,742.54 718.38,792 1122.95,792 1233.95,681 1303.65,681 1324.01,660.64 1324.01,641.35 U1.20@1324.72,640.64
VBAT_OK: LED3.A U2.13 | length 542.2
  Top Layer w6: LED3.A@216.32,1673.21 216.32,1538.64 301.3,1453.66 414.37,1453.66 484.13,1383.9 U2.13@559.88,1383.9
VBAT_OV: R8.1 R14.2 U2.7 | length 144.3
  Top Layer w6: R8.1@598.8,1521.67 599.01,1521.46 R14.2@660.93,1521.46 ; U2.7@644.53,1448.86 644.53,1502.39 651.18,1509.05 651.18,1511.71 R14.2@660.93,1521.46 ; R14.2@663.59,1521.46 R14.2@660.93,1521.46
VDCDC: C4.2 C5.1 L1.2 L5.1 L8.1 U1.40 | length 6045.3
  Top Layer w8: 1141.92,262.24 1149.86,254.3 ; 1148.6,228.5 1149.86,229.77 ; 1308.76,358.79 U1.40@1308.76,409.32
  Top Layer w10: C5.1@1151.5,161 1182.5,130 1574.04,130 1619.04,175 1655,175 1668.86,161.14 1668.86,112.85 v1(1667.99,111.99) ; 1299.06,201.7 1308.76,211.39 1308.76,358.79
  Top Layer w12: v1@2029.23,754.23 v1(2030,755)
  Top Layer w15: 1151.5,201.7 1299.06,201.7 ; L8.1@1230.32,840 475,840 300,665 300,343.79 348.79,295 618.62,295 717.64,195.98 717.64,147.72 821.14,44.21 v1(1667.09,44.21) 2219.21,44.21 2336.5,161.5 2336.5,724.09 2280.59,780 v1(2125,780) ; L5.1@1589.15,835 1602.65,848.5 1879.32,848.5 1973.58,754.23 v1@2029.23,754.23
  Top Layer w20: 1148.6,228.5 1148.6,253.04 ; 1151.5,201.7 1151.5,228.13
  Bottom Layer w10: v1(1667.09,44.21) 1667.54,44.66 1667.54,111.54 v1(1667.99,111.99)
  Bottom Layer w15: v1(2030,755) 2100,755 v1(2125,780)
VDD_MIC_FILT: C26.2 R21.2 U7.2 U7.5 | length 277.7
  Top Layer w6: C26.2@2169.22,343.22 2169.22,285.82 U7.5@2168.45,285.04 2168.45,283.5 2200.81,251.14 U7.2@2200.81,214.17 ; C26.2@2170,344 2178.6,352.6 2178.6,363.01 2193.87,378.28 2229.23,378.28 2247.63,396.68 2265.22,396.68 R21.2@2273.54,405
VOUT_SET: R10.1 R13.2 U2.12 | length 351.9
  Top Layer w6: R13.2@319,1532.54 325.15,1532.54 392.03,1465.66 419.34,1465.66 481.42,1403.58 U2.12@559.88,1403.58 ; R13.2@319,1538.65 R10.1@319,1596.26
VRDRV: R8.2 R9.2 R10.2 U2.8 | length 542.6
  Top Layer w6: R10.2@270.79,1593.17 270.79,1600.46 275.99,1605.66 283.28,1605.66 310.08,1632.46 474.18,1632.46 527.88,1578.76 R9.2@532.8,1578.76 R9.2@537.72,1578.76 ; R8.2@598.8,1578.76 R9.2@537.72,1578.76 ; U2.8@624.84,1448.86 624.3,1449.4 624.3,1465.7 607.74,1482.26 597.74,1482.26 570.22,1509.78 570.22,1546.26 R9.2@537.72,1578.76
VREF_SAMP: C20.2 U2.4 | length 138.9
  Top Layer w9: U2.4@689.8,1403.58 690.03,1403.81 700.34,1403.81 728.8,1432.27 C20.2@728.8,1520.3
VREGSW: L1.1 U1.37 | length 18.9
  Top Layer w8: 1255.3,396.39 1261.18,396.39 1261.51,396.72 U1.37@1261.51,409.32
VSTOR: C16.1 C17.1 C25.1 U2.3 U2.6 U2.19 | length 1517.3
  Top Layer w8: U2.6@664.21,1448.86 U2.6@664.21,1455.94
  Top Layer w9: C25.1@657.67,1053.69 657.67,1022.33 710,970 916.01,970 1009.5,1063.49 1009.5,1280.5 995,1295 959.93,1295 871.03,1383.9 763.9,1383.9 ; U2.6@664.21,1455.94 695,1486.73 695,1625 706.2,1636.2 728.8,1636.2 763.9,1601.1 763.9,1383.9 ; U2.3@689.8,1383.9 763.9,1383.9
pads on no net: H1.2 H1.3 H1.4 U1.3 U1.4 U1.23 U1.24 U1.25 U1.26 U1.43 U1.44 U1.45 U1.46 U2.9 U2.17 U5.3 U5.9 U5.10 U5.11 U6.5 U6.6 U6.7 U6.9 U6.10

## Polygon pours and split planes (outlines as drawn)
GND on Bottom Layer "GND_L02_P001" (solid, pour order 1): -9.97,653.77 -9.97,1708.77 1191.13,1708.77 1191.13,653.77
GND on Bottom Layer "GND_L02_P000" (solid, pour order 0): 0.01,655 1145,655 1145,1295.76 2360,1295.76 2360,0.03 0.01,0.03
+3V_VMCU on Top Layer "+3V_VMCU_L01_P023" (solid, pour order 23): 2060.61,796.05 2085.87,796.05 2085.87,794.63 2090.61,789.89 2090.61,759.39 2115,735 2115.03,735.03 2122.27,735.03 2122.27,666.64 2122.27,666.2 2053.73,666.2 2053.73,789.13 2060.59,795.98
VDCDC on Top Layer "VDCDC_L01_P022" (solid, pour order 22): 1186.79,320 1049.67,320 1049.67,190.33 1121.03,118.97 1186.79,118.97
VREGSW on Top Layer "VREGSW_L01_P003" (solid, pour order 3): 1265.27,425 1097.83,425 1097.83,330 1186.4,330 1186.4,355 1265.27,355
PMIC_VIN on Top Layer "PMIC_VIN_L01_P015" (solid, pour order 15): 680.21,1368.9 679.92,1368.62 679.13,1368.62 678.56,1368.04 678.56,1367.9 678.12,1367.46 678.12,1361.49 678.05,1361.42 678.27,1361.2 678.27,1360.62 678.77,1360.12 678.77,1360.05 679.2,1360.05 679.56,1359.69 775.4,1359.69 790,1345.08 790,970 916.01,970 1009.5,1063.49 1009.5,1295 959.93,1295 959.93,1298.31 889.05,1369.19 888.73,1368.87 680.22,1368.87
+3V_VMCU on Top Layer "+3V_VMCU_L01_P021" (solid, pour order 21): 1345,425 1345,385 1455,385 1460,380 1460,260 1425,260 1425,350 1365,350 1333.99,381.01 1333.99,425
AVDD on Top Layer "AVDD_L01_P020" (solid, pour order 20): 1320.71,425 1320.71,210 1355,210 1355,350 1350,355 1330,355 1330,388.46 1330,425
GND on Top Layer "GND_L01_P017" (solid, pour order 17): 1060,1710 1060,858.88 1235.4,858.88 1335,759.28 1335,685.5 1390.88,684.8 1420,713.92 1439.5,759.28 1447.63,795 1509.76,857.12 1511.88,855 1785,855 1785,1155 2360,1155 2360,1296.24 1218.18,1296.24 1200.94,1296.24 1200.94,1710
PMIC_VOUT on Top Layer "PMIC_VOUT_L01_P016" (solid, pour order 16): 568.88,1359.52 570.05,1359.52 570.48,1359.94 570.91,1359.94 571.28,1360.32 571.28,1360.85 571.66,1361.23 571.55,1361.33 571.55,1367.37 571.12,1367.8 571.12,1367.96 571.02,1367.96 570.43,1368.55 570.32,1368.55 570.05,1368.81 540.88,1368.81 469.69,1440 235,1440 235,1165 428.23,1165 428.23,1232.96 550.03,1359.67 550.11,1359.58 568.92,1359.58
LBOOST on Top Layer "LBOOST_L01_P010" (solid, pour order 10): 659.35,1328.09 659.53,1327.91 659.53,1308.97 659.88,1308.62 659.88,1308.21 660.09,1308 660.24,1308 660.24,1307.94 660.71,1307.47 660.71,1299.29 685,1275 685,1105 780,1105 790,1105 790,1300 755,1300 724.32,1330.68 661.16,1330.68 661,1330.52 660.35,1330.52 660.03,1330.19 660.03,1329.76 659.7,1329.44 659.54,1329.44 659.54,1328.63 659.65,1328.52 659.43,1328.3 659.43,1327.98
VSTOR on Top Layer "VSTOR_L01_P009" (solid, pour order 9): 641.78,1330.65 641.71,1330.58 641.16,1330.58 640.58,1329.99 640.4,1329.99 640.4,1329.72 640.2,1329.51 640.2,1329.34 639.82,1328.96 639.82,1328.72 639.75,1328.65 639.82,1328.58 639.82,1301.82 605.23,1267.23 605.23,1029.97 685,1030 685,1035 685,1275 649,1311 649,1328.55 649.2,1328.75 649,1328.96 649,1329.3 648.39,1329.91 648.39,1329.98 648.32,1329.98 647.98,1330.32 647.98,1330.52 647.77,1330.73 641.31,1330.73
LBUCK on Top Layer "LBUCK_L01_P008" (solid, pour order 8): 590.22,1330 590.22,1303.67 542.39,1260 542.39,1185 435,1185 435,1330
+3V_VMCU on Top Layer "+3V_VMCU_L01_P004" (solid, pour order 4): 1265.27,425.27 1265.27,385.27 1196.51,350 1196.51,307.99 1296.48,307.99 1296.48,425.27

## Keep-outs
Keep-Out Layer:
  the board outline again, w20

## Silkscreen, mask and mechanical layers (free items; w line width, h text height)
Top Overlay:
  drawing of 15 lines, arcs and shapes, not listed
  text "TagIT" at 1909.5,1561.5 h90
  text "Power Supply" at 336.94,912.17 h90
  text "TX" at 720,505 h40 r90
  text "RX" at 720,405 h40 r90
  text "Main Stuff" at 715,25.77 h90
  text "TagIt Rev 1.2 10-25-2022" at 1725,21.31 h60
Bottom Overlay:
  drawing of 11 lines, arcs and shapes, not listed
  text "Ayush Gupta" at 482,184.31 h60
  text "Ruchit Naik" at 482,117.18 h60
  text "Sankalp Agarwal" at 482,53.31 h60
Outline:
  lines w5: 3273.62,2875.07 cw(c3273.79,2834.75) 3314.1,2835.01

## Text inside footprints (layer, text, board x,y; h text height)
H1: Mechanical 13 "PCB END" at 978.14,1738.35 h19.68 r180